# KiCad board Atari TT030.kicad_pcb (continued)
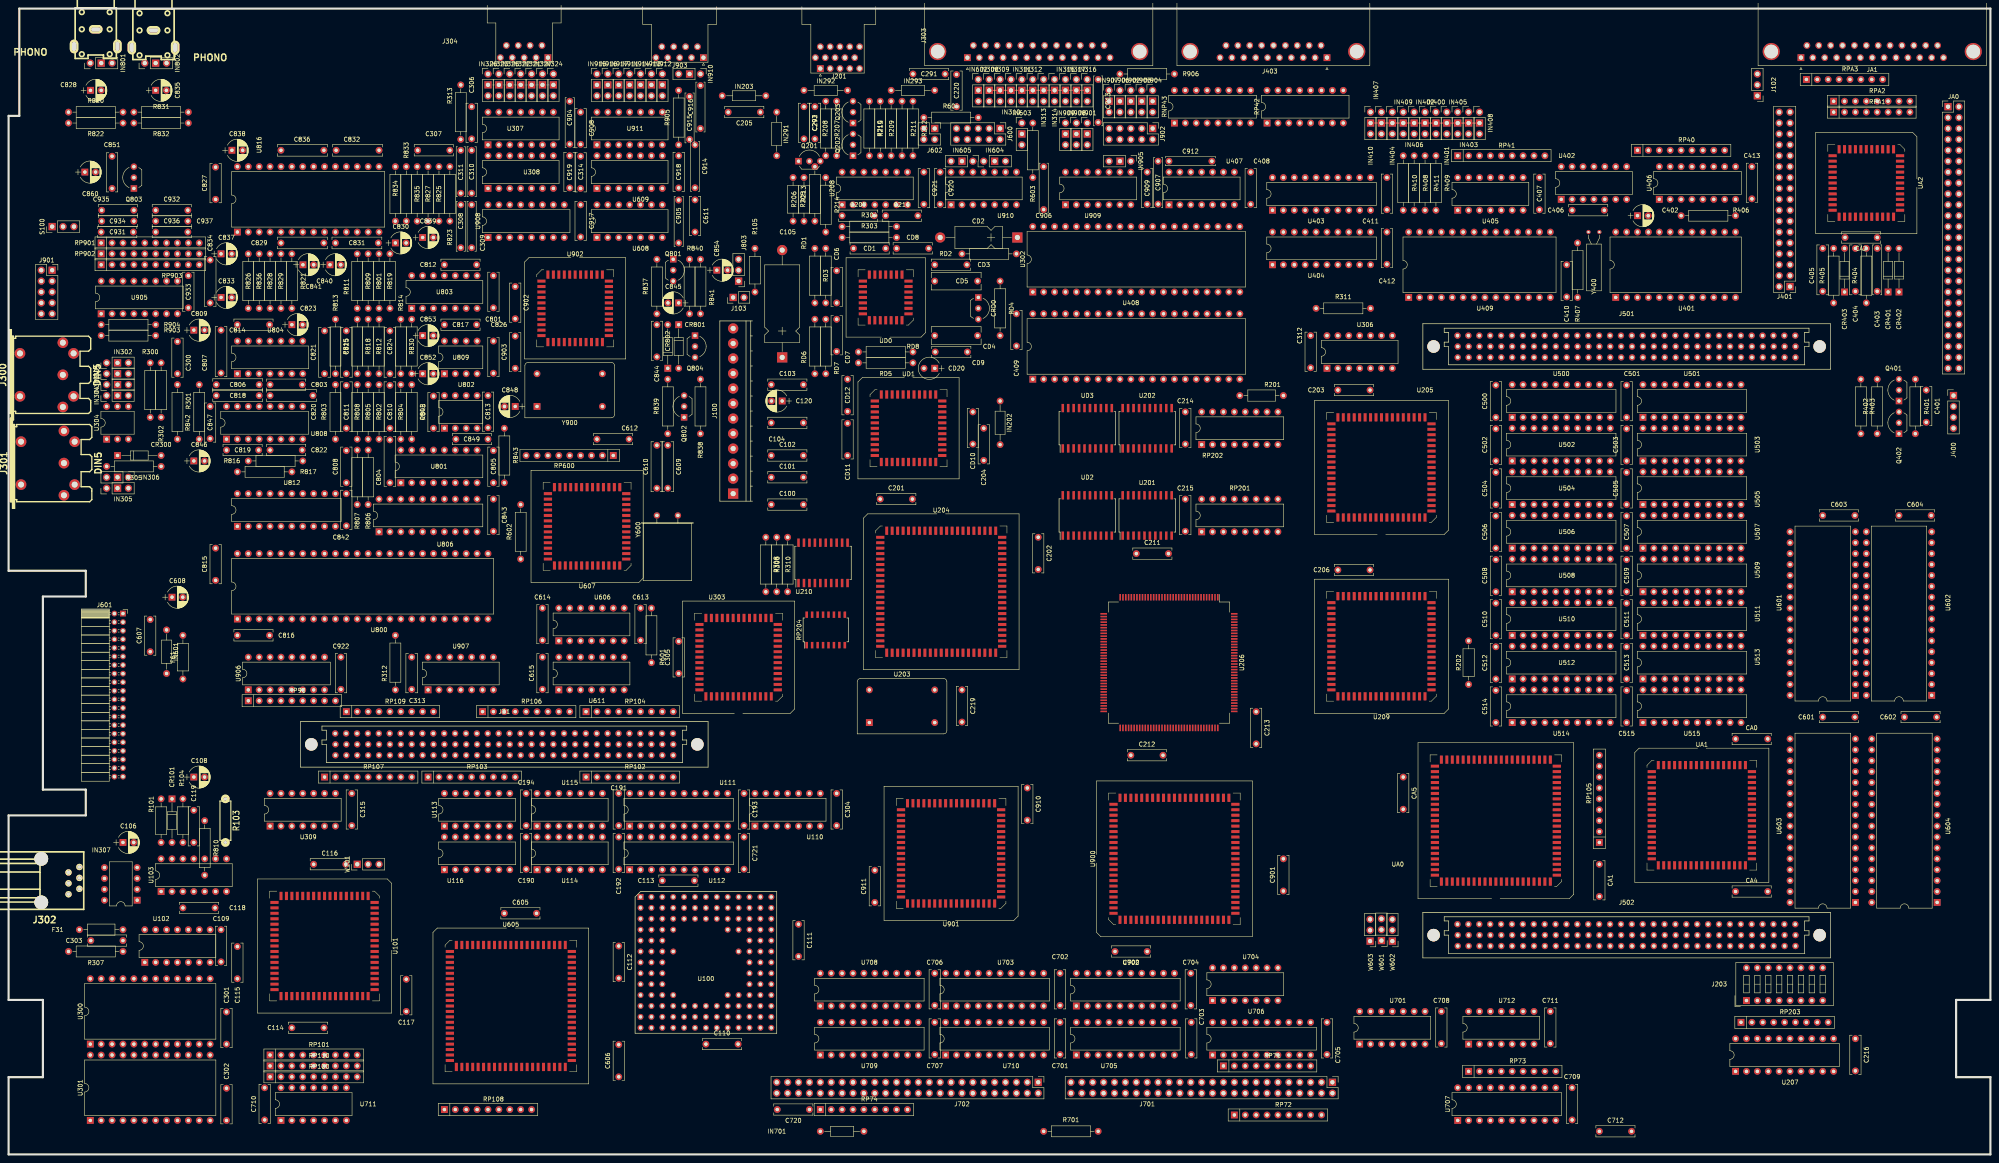
[diagram p0: board, top side]
## Footprints (pads in the part's own frame, mm; a bottom-side part is the same pattern mirrored in y, then rotated) (continued)
L_Axial_L5.3mm_D2.2mm_P10.16mm_Horizontal_Vishay_IM-1
  round 1.6 hole 0.8: 1(0,0)
  oval 1.6x1.6 hole 0.8: 2(10.16,0)
molex_6p6c
  round 3.2 hole 3.2 unplated: (-5.08,0) (5.08,0)
  round 1.501 hole 0.899: 1(-3.175,8.89) 2(-1.905,6.35) 3(-0.635,8.89) 4(0.635,6.35) 5(1.905,8.89) 6(3.175,6.35)
Oscillator_DIP-14
  rect 1.6x1.6 hole 0.8: 1(0,0)
  round 1.6 hole 0.8: 7(15.24,0) 8(15.24,7.62) 14(0,7.62)
PGA128
  rect 1.397x1.397 hole 0.787: A1(15.24,-15.24)
  round 1.397 hole 0.787: A2(12.7,-15.24) A3(10.16,-15.24) A4(7.62,-15.24) A5(5.08,-15.24) A6(2.54,-15.24) A7(0,-15.24) A8(-2.54,-15.24) A9(-5.08,-15.24) A10(-7.62,-15.24) A11(-10.16,-15.24) A12(-12.7,-15.24) A13(-15.24,-15.24) B1(15.24,-12.7) B2(12.7,-12.7) B3(10.16,-12.7) B4(7.62,-12.7) B5(5.08,-12.7) B6(2.54,-12.7) B7(0,-12.7) B8(-2.54,-12.7) B9(-5.08,-12.7) B10(-7.62,-12.7) B11(-10.16,-12.7) B12(-12.7,-12.7) B13(-15.24,-12.7) C1(15.24,-10.16) C2(12.7,-10.16) C3(10.16,-10.16) C4(7.62,-10.16) C5(5.08,-10.16) C6(2.54,-10.16) C7(0,-10.16) C8(-2.54,-10.16) C9(-5.08,-10.16) C10(-7.62,-10.16) C11(-10.16,-10.16) C12(-12.7,-10.16) C13(-15.24,-10.16) D1(15.24,-7.62) D2(12.7,-7.62) D3(10.16,-7.62) D4(7.62,-7.62) D9(-5.08,-7.62) D10(-7.62,-7.62) D11(-10.16,-7.62) D12(-12.7,-7.62) D13(-15.24,-7.62) E1(15.24,-5.08) E2(12.7,-5.08) E3(10.16,-5.08) E11(-10.16,-5.08) E12(-12.7,-5.08) E13(-15.24,-5.08) F1(15.24,-2.54) F2(12.7,-2.54) F3(10.16,-2.54) F4(7.62,-2.54) F10(-7.62,-2.54) F11(-10.16,-2.54) F12(-12.7,-2.54) F13(-15.24,-2.54) G1(15.24,0) G2(12.7,0) G3(10.16,0) G11(-10.16,0) G12(-12.7,0) G13(-15.24,0) H1(15.24,2.54) H2(12.7,2.54) H3(10.16,2.54) H11(-10.16,2.54) H12(-12.7,2.54) H13(-15.24,2.54) J1(15.24,5.08) J2(12.7,5.08) J3(10.16,5.08) J11(-10.16,5.08) J12(-12.7,5.08) J13(-15.24,5.08) K1(15.24,7.62) K2(12.7,7.62) K3(10.16,7.62) K4(7.62,7.62) K9(-5.08,7.62) K10(-7.62,7.62) K11(-10.16,7.62) K12(-12.7,7.62) K13(-15.24,7.62) L1(15.24,10.16) L2(12.7,10.16) L3(10.16,10.16) L4(7.62,10.16) L5(5.08,10.16) L6(2.54,10.16) L7(0,10.16) L8(-2.54,10.16) L9(-5.08,10.16) L10(-7.62,10.16) L11(-10.16,10.16) L12(-12.7,10.16) L13(-15.24,10.16) M1(15.24,12.7) M2(12.7,12.7) M3(10.16,12.7) M4(7.62,12.7) M5(5.08,12.7) M6(2.54,12.7) M7(0,12.7) M8(-2.54,12.7) M9(-5.08,12.7) M10(-7.62,12.7) M11(-10.16,12.7) M12(-12.7,12.7) M13(-15.24,12.7) N1(15.24,15.24) N2(12.7,15.24) N3(10.16,15.24) N4(7.62,15.24) N5(5.08,15.24) N6(2.54,15.24) N7(0,15.24) N8(-2.54,15.24) N9(-5.08,15.24) N10(-7.62,15.24) N11(-10.16,15.24) N12(-12.7,15.24) N13(-15.24,15.24)
Pin_Header_Straight_1x03_Pitch2.54mm
  rect 1.7x1.7 hole 1: 1(0,0)
  oval 1.7x1.7 hole 1: 2(0,-2.54) 3(0,-5.08)
Pin_Header_Straight_2x02_Pitch2.54mm
  rect 1.7x1.7 hole 1: 1(0,0)
  oval 1.7x1.7 hole 1: 2(2.54,0) 3(0,-2.54) 4(2.54,-2.54)
Pin_Header_Straight_2x05_Pitch2.54mm
  rect 1.7x1.7 hole 1: 1(0,0)
  oval 1.7x1.7 hole 1: 2(2.54,0) 3(0,-2.54) 4(2.54,-2.54) 5(0,-5.08) 6(2.54,-5.08) 7(0,-7.62) 8(2.54,-7.62) 9(0,-10.16) 10(2.54,-10.16)
Pin_Header_Straight_2x17_Pitch2.54mm
  rect 1.7x1.7 hole 1: 1(0,0)
  oval 1.7x1.7 hole 1: 2(2.54,0) 3(0,-2.54) 4(2.54,-2.54) 5(0,-5.08) 6(2.54,-5.08) 7(0,-7.62) 8(2.54,-7.62) 9(0,-10.16) 10(2.54,-10.16) 11(0,-12.7) 12(2.54,-12.7) 13(0,-15.24) 14(2.54,-15.24) 15(0,-17.78) 16(2.54,-17.78) 17(0,-20.32) 18(2.54,-20.32) 19(0,-22.86) 20(2.54,-22.86) 21(0,-25.4) 22(2.54,-25.4) 23(0,-27.94) 24(2.54,-27.94) 25(0,-30.48) 26(2.54,-30.48) 27(0,-33.02) 28(2.54,-33.02) 29(0,-35.56) 30(2.54,-35.56) 31(0,-38.1) 32(2.54,-38.1) 33(0,-40.64) 34(2.54,-40.64)
Pin_Header_Straight_2x25_Pitch2.54mm
  rect 1.7x1.7 hole 1: 1(0,0)
  oval 1.7x1.7 hole 1: 2(2.54,0) 3(0,-2.54) 4(2.54,-2.54) 5(0,-5.08) 6(2.54,-5.08) 7(0,-7.62) 8(2.54,-7.62) 9(0,-10.16) 10(2.54,-10.16) 11(0,-12.7) 12(2.54,-12.7) 13(0,-15.24) 14(2.54,-15.24) 15(0,-17.78) 16(2.54,-17.78) 17(0,-20.32) 18(2.54,-20.32) 19(0,-22.86) 20(2.54,-22.86) 21(0,-25.4) 22(2.54,-25.4) 23(0,-27.94) 24(2.54,-27.94) 25(0,-30.48) 26(2.54,-30.48) 27(0,-33.02) 28(2.54,-33.02) 29(0,-35.56) 30(2.54,-35.56) 31(0,-38.1) 32(2.54,-38.1) 33(0,-40.64) 34(2.54,-40.64) 35(0,-43.18) 36(2.54,-43.18) 37(0,-45.72) 38(2.54,-45.72) 39(0,-48.26) 40(2.54,-48.26) 41(0,-50.8) 42(2.54,-50.8) 43(0,-53.34) 44(2.54,-53.34) 45(0,-55.88) 46(2.54,-55.88) 47(0,-58.42) 48(2.54,-58.42) 49(0,-60.96) 50(2.54,-60.96)
PLCC-28_SMD-Socket
  rect 0.7x1.925 smd: 1(0,5.322) 2(-1.27,5.322) 3(-2.54,5.322) 4(-3.81,5.322) 12(-3.81,-5.322) 13(-2.54,-5.322) 14(-1.27,-5.322) 15(0,-5.322) 16(1.27,-5.322) 17(2.54,-5.322) 18(3.81,-5.322) 26(3.81,5.322) 27(2.54,5.322) 28(1.27,5.322)
  rect 1.925x0.7 smd: 5(-5.322,3.81) 6(-5.322,2.54) 7(-5.322,1.27) 8(-5.322,0) 9(-5.322,-1.27) 10(-5.322,-2.54) 11(-5.322,-3.81) 19(5.322,-3.81) 20(5.322,-2.54) 21(5.322,-1.27) 22(5.322,0) 23(5.322,1.27) 24(5.322,2.54) 25(5.322,3.81)
PLCC-44_SMD-Socket
  rect 0.7x1.925 smd: 1(0,7.862) 2(-1.27,7.862) 3(-2.54,7.862) 4(-3.81,7.862) 5(-5.08,7.862) 6(-6.35,7.862) 18(-6.35,-7.862) 19(-5.08,-7.862) 20(-3.81,-7.862) 21(-2.54,-7.862) 22(-1.27,-7.862) 23(0,-7.862) 24(1.27,-7.862) 25(2.54,-7.862) 26(3.81,-7.862) 27(5.08,-7.862) 28(6.35,-7.862) 40(6.35,7.862) 41(5.08,7.862) 42(3.81,7.862) 43(2.54,7.862) 44(1.27,7.862)
  rect 1.925x0.7 smd: 7(-7.862,6.35) 8(-7.862,5.08) 9(-7.862,3.81) 10(-7.862,2.54) 11(-7.862,1.27) 12(-7.862,0) 13(-7.862,-1.27) 14(-7.862,-2.54) 15(-7.862,-3.81) 16(-7.862,-5.08) 17(-7.862,-6.35) 29(7.862,-6.35) 30(7.862,-5.08) 31(7.862,-3.81) 32(7.862,-2.54) 33(7.862,-1.27) 34(7.862,0) 35(7.862,1.27) 36(7.862,2.54) 37(7.862,3.81) 38(7.862,5.08) 39(7.862,6.35)
PLCC-52_SMD-Socket
  rect 0.7x1.925 smd: 1(0,9.133) 2(-1.27,9.133) 3(-2.54,9.133) 4(-3.81,9.133) 5(-5.08,9.133) 6(-6.35,9.133) 7(-7.62,9.133) 21(-7.62,-9.133) 22(-6.35,-9.133) 23(-5.08,-9.133) 24(-3.81,-9.133) 25(-2.54,-9.133) 26(-1.27,-9.133) 27(0,-9.133) 28(1.27,-9.133) 29(2.54,-9.133) 30(3.81,-9.133) 31(5.08,-9.133) 32(6.35,-9.133) 33(7.62,-9.133) 47(7.62,9.133) 48(6.35,9.133) 49(5.08,9.133) 50(3.81,9.133) 51(2.54,9.133) 52(1.27,9.133)
  rect 1.925x0.7 smd: 8(-9.133,7.62) 9(-9.133,6.35) 10(-9.133,5.08) 11(-9.133,3.81) 12(-9.133,2.54) 13(-9.133,1.27) 14(-9.133,0) 15(-9.133,-1.27) 16(-9.133,-2.54) 17(-9.133,-3.81) 18(-9.133,-5.08) 19(-9.133,-6.35) 20(-9.133,-7.62) 34(9.133,-7.62) 35(9.133,-6.35) 36(9.133,-5.08) 37(9.133,-3.81) 38(9.133,-2.54) 39(9.133,-1.27) 40(9.133,0) 41(9.133,1.27) 42(9.133,2.54) 43(9.133,3.81) 44(9.133,5.08) 45(9.133,6.35) 46(9.133,7.62)
PLCC-68_SMD-Socket
  rect 0.7x1.925 smd: 1(0,11.672) 2(-1.27,11.672) 3(-2.54,11.672) 4(-3.81,11.672) 5(-5.08,11.672) 6(-6.35,11.672) 7(-7.62,11.672) 8(-8.89,11.672) 9(-10.16,11.672) 27(-10.16,-11.672) 28(-8.89,-11.672) 29(-7.62,-11.672) 30(-6.35,-11.672) 31(-5.08,-11.672) 32(-3.81,-11.672) 33(-2.54,-11.672) 34(-1.27,-11.672) 35(0,-11.672) 36(1.27,-11.672) 37(2.54,-11.672) 38(3.81,-11.672) 39(5.08,-11.672) 40(6.35,-11.672) 41(7.62,-11.672) 42(8.89,-11.672) 43(10.16,-11.672) 61(10.16,11.672) 62(8.89,11.672) 63(7.62,11.672) 64(6.35,11.672) 65(5.08,11.672) 66(3.81,11.672) 67(2.54,11.672) 68(1.27,11.672)
  rect 1.925x0.7 smd: 10(-11.672,10.16) 11(-11.672,8.89) 12(-11.672,7.62) 13(-11.672,6.35) 14(-11.672,5.08) 15(-11.672,3.81) 16(-11.672,2.54) 17(-11.672,1.27) 18(-11.672,0) 19(-11.672,-1.27) 20(-11.672,-2.54) 21(-11.672,-3.81) 22(-11.672,-5.08) 23(-11.672,-6.35) 24(-11.672,-7.62) 25(-11.672,-8.89) 26(-11.672,-10.16) 44(11.672,-10.16) 45(11.672,-8.89) 46(11.672,-7.62) 47(11.672,-6.35) 48(11.672,-5.08) 49(11.672,-3.81) 50(11.672,-2.54) 51(11.672,-1.27) 52(11.672,0) 53(11.672,1.27) 54(11.672,2.54) 55(11.672,3.81) 56(11.672,5.08) 57(11.672,6.35) 58(11.672,7.62) 59(11.672,8.89) 60(11.672,10.16)
PLCC-84_SMD-Socket
  rect 0.7x1.925 smd: 1(0,14.213) 2(-1.27,14.213) 3(-2.54,14.213) 4(-3.81,14.213) 5(-5.08,14.213) 6(-6.35,14.213) 7(-7.62,14.213) 8(-8.89,14.213) 9(-10.16,14.213) 10(-11.43,14.213) 11(-12.7,14.213) 33(-12.7,-14.213) 34(-11.43,-14.213) 35(-10.16,-14.213) 36(-8.89,-14.213) 37(-7.62,-14.213) 38(-6.35,-14.213) 39(-5.08,-14.213) 40(-3.81,-14.213) 41(-2.54,-14.213) 42(-1.27,-14.213) 43(0,-14.213) 44(1.27,-14.213) 45(2.54,-14.213) 46(3.81,-14.213) 47(5.08,-14.213) 48(6.35,-14.213) 49(7.62,-14.213) 50(8.89,-14.213) 51(10.16,-14.213) 52(11.43,-14.213) 53(12.7,-14.213) 75(12.7,14.213) 76(11.43,14.213) 77(10.16,14.213) 78(8.89,14.213) 79(7.62,14.213) 80(6.35,14.213) 81(5.08,14.213) 82(3.81,14.213) 83(2.54,14.213) 84(1.27,14.213)
  rect 1.925x0.7 smd: 12(-14.213,12.7) 13(-14.213,11.43) 14(-14.213,10.16) 15(-14.213,8.89) 16(-14.213,7.62) 17(-14.213,6.35) 18(-14.213,5.08) 19(-14.213,3.81) 20(-14.213,2.54) 21(-14.213,1.27) 22(-14.213,0) 23(-14.213,-1.27) 24(-14.213,-2.54) 25(-14.213,-3.81) 26(-14.213,-5.08) 27(-14.213,-6.35) 28(-14.213,-7.62) 29(-14.213,-8.89) 30(-14.213,-10.16) 31(-14.213,-11.43) 32(-14.213,-12.7) 54(14.213,-12.7) 55(14.213,-11.43) 56(14.213,-10.16) 57(14.213,-8.89) 58(14.213,-7.62) 59(14.213,-6.35) 60(14.213,-5.08) 61(14.213,-3.81) 62(14.213,-2.54) 63(14.213,-1.27) 64(14.213,0) 65(14.213,1.27) 66(14.213,2.54) 67(14.213,3.81) 68(14.213,5.08) 69(14.213,6.35) 70(14.213,7.62) 71(14.213,8.89) 72(14.213,10.16) 73(14.213,11.43) 74(14.213,12.7)
R_Array_SIP8
  rect 1.6x1.6 hole 0.8: 1(0,0)
  oval 1.6x1.6 hole 0.8: 2(2.54,0) 3(5.08,0) 4(7.62,0) 5(10.16,0) 6(12.7,0) 7(15.24,0) 8(17.78,0)
R_Array_SIP9
  rect 1.6x1.6 hole 0.8: 1(0,0)
  oval 1.6x1.6 hole 0.8: 2(2.54,0) 3(5.08,0) 4(7.62,0) 5(10.16,0) 6(12.7,0) 7(15.24,0) 8(17.78,0) 9(20.32,0)
R_Array_SIP10
  rect 1.6x1.6 hole 0.8: 1(0,0)
  oval 1.6x1.6 hole 0.8: 2(2.54,0) 3(5.08,0) 4(7.62,0) 5(10.16,0) 6(12.7,0) 7(15.24,0) 8(17.78,0) 9(20.32,0) 10(22.86,0)
R_Axial_DIN0207_L6.3mm_D2.5mm_P10.16mm_Horizontal
  round 1.6 hole 0.8: 1(0,0)
  oval 1.6x1.6 hole 0.8: 2(10.16,0)
R_Axial_DIN0309_L9.0mm_D3.2mm_P12.70mm_Horizontal
  round 1.6 hole 0.8: 1(0,0)
  oval 1.6x1.6 hole 0.8: 2(12.7,0)
RC05
  round 1.999 hole 0.8: 1(-5.08,0) 2(5.08,0)
rca_red
  oval 3.198x1.999 hole 2.197x0.996: 1(0,0)
  oval 1.999x3.198 hole 0.996x2.197: 2(-5.055,3.998) 2(5.055,3.998)
rca_white
  oval 3.198x1.999 hole 2.197x0.996: 1(0,0)
  oval 1.999x3.198 hole 0.996x2.197: 2(-5.055,3.998) 2(5.055,3.998)
Socket_Strip_Angled_2x20_Pitch2.00mm
  rect 1.35x1.35 hole 0.8: 1(0,0)
  oval 1.35x1.35 hole 0.8: 2(-2,0) 3(0,-2) 4(-2,-2) 5(0,-4) 6(-2,-4) 7(0,-6) 8(-2,-6) 9(0,-8) 10(-2,-8) 11(0,-10) 12(-2,-10) 13(0,-12) 14(-2,-12) 15(0,-14) 16(-2,-14) 17(0,-16) 18(-2,-16) 19(0,-18) 20(-2,-18) 21(0,-20) 22(-2,-20) 23(0,-22) 24(-2,-22) 25(0,-24) 26(-2,-24) 27(0,-26) 28(-2,-26) 29(0,-28) 30(-2,-28) 31(0,-30) 32(-2,-30) 33(0,-32) 34(-2,-32) 35(0,-34) 36(-2,-34) 37(0,-36) 38(-2,-36) 39(0,-38) 40(-2,-38)
Socket_Strip_Straight_1x02_Pitch2.54mm
  rect 1.7x1.7 hole 1: 1(0,0)
  oval 1.7x1.7 hole 1: 2(0,-2.54)
Socket_Strip_Straight_1x03_Pitch2.54mm
  rect 1.7x1.7 hole 1: 1(0,0)
  oval 1.7x1.7 hole 1: 2(0,-2.54) 3(0,-5.08)
Socket_Strip_Straight_1x04_Pitch2.54mm
  rect 1.7x1.7 hole 1: 1(0,0)
  oval 1.7x1.7 hole 1: 2(0,-2.54) 3(0,-5.08) 4(0,-7.62)
Socket_Strip_Straight_2x05_Pitch2.54mm
  rect 1.7x1.7 hole 1: 1(0,0)
  oval 1.7x1.7 hole 1: 2(-2.54,0) 3(0,-2.54) 4(-2.54,-2.54) 5(0,-5.08) 6(-2.54,-5.08) 7(0,-7.62) 8(-2.54,-7.62) 9(0,-10.16) 10(-2.54,-10.16)
SOIC-16W_5.3x10.2mm_Pitch1.27mm
  rect 1.5x0.6 smd: 1(-3.55,4.445) 2(-3.55,3.175) 3(-3.55,1.905) 4(-3.55,0.635) 5(-3.55,-0.635) 6(-3.55,-1.905) 7(-3.55,-3.175) 8(-3.55,-4.445) 9(3.55,-4.445) 10(3.55,-3.175) 11(3.55,-1.905) 12(3.55,-0.635) 13(3.55,0.635) 14(3.55,1.905) 15(3.55,3.175) 16(3.55,4.445)
SOIC-20W_7.5x12.8mm_Pitch1.27mm
  rect 1.95x0.6 smd: 1(-4.7,5.715) 2(-4.7,4.445) 3(-4.7,3.175) 4(-4.7,1.905) 5(-4.7,0.635) 6(-4.7,-0.635) 7(-4.7,-1.905) 8(-4.7,-3.175) 9(-4.7,-4.445) 10(-4.7,-5.715) 11(4.7,-5.715) 12(4.7,-4.445) 13(4.7,-3.175) 14(4.7,-1.905) 15(4.7,-0.635) 16(4.7,0.635) 17(4.7,1.905) 18(4.7,3.175) 19(4.7,4.445) 20(4.7,5.715)
SW_DIP_x8_W7.62mm_Slide
  rect 1.6x1.6 hole 0.8: 1(0,0)
  oval 1.6x1.6 hole 0.8: 2(0,-2.54) 3(0,-5.08) 4(0,-7.62) 5(0,-10.16) 6(0,-12.7) 7(0,-15.24) 8(0,-17.78) 9(7.62,-17.78) 10(7.62,-15.24) 11(7.62,-12.7) 12(7.62,-10.16) 13(7.62,-7.62) 14(7.62,-5.08) 15(7.62,-2.54) 16(7.62,0)
TerminalBlock_Phoenix_PT-3.5mm_12pol
  rect 2.4x2.4 hole 1.2: 1(0,0)
  round 2.4 hole 1.2: 2(3.5,0) 3(7,0) 4(10.5,0) 5(14,0) 6(17.5,0) 7(21,0) 8(24.5,0) 9(28,0) 10(31.5,0) 11(35,0) 12(38.5,0)
TO-92_Inline_Wide
  rect 1.52x1.52 hole 0.8: 1(0,0)
  round 1.52 hole 0.8: 2(2.54,0) 3(5.08,0)
U206
  rect 1.53x0.38 smd: 1(-15.22,11.375) 2(-15.22,10.725) 3(-15.22,10.075) 4(-15.22,9.425) 5(-15.22,8.775) 6(-15.22,8.125) 7(-15.22,7.475) 8(-15.22,6.825) 9(-15.22,6.175) 10(-15.22,5.525) 11(-15.22,4.875) 12(-15.22,4.225) 13(-15.22,3.575) 14(-15.22,2.925) 15(-15.22,2.275) 16(-15.22,1.625) 17(-15.22,0.975) 18(-15.22,0.325) 19(-15.22,-0.325) 20(-15.22,-0.975) 21(-15.22,-1.625) 22(-15.22,-2.275) 23(-15.22,-2.925) 24(-15.22,-3.575) 25(-15.22,-4.225) 26(-15.22,-4.875) 27(-15.22,-5.525) 28(-15.22,-6.175) 29(-15.22,-6.825) 30(-15.22,-7.475) 31(-15.22,-8.125) 32(-15.22,-8.775) 33(-15.22,-9.425) 34(-15.22,-10.075) 35(-15.22,-10.725) 36(-15.22,-11.375) 73(15.22,-11.375) 74(15.22,-10.725) 75(15.22,-10.075) 76(15.22,-9.425) 77(15.22,-8.775) 78(15.22,-8.125) 79(15.22,-7.475) 80(15.22,-6.825) 81(15.22,-6.175) 82(15.22,-5.525) 83(15.22,-4.875) 84(15.22,-4.225) 85(15.22,-3.575) 86(15.22,-2.925) 87(15.22,-2.275) 88(15.22,-1.625) 89(15.22,-0.975) 90(15.22,-0.325) 91(15.22,0.325) 92(15.22,0.975) 93(15.22,1.625) 94(15.22,2.275) 95(15.22,2.925) 96(15.22,3.575) 97(15.22,4.225) 98(15.22,4.875) 99(15.22,5.525) 100(15.22,6.175) 101(15.22,6.825) 102(15.22,7.475) 103(15.22,8.125) 104(15.22,8.775) 105(15.22,9.425) 106(15.22,10.075) 107(15.22,10.725) 108(15.22,11.375)
  rect 0.38x1.53 smd: 37(-11.375,-15.22) 38(-10.725,-15.22) 39(-10.075,-15.22) 40(-9.425,-15.22) 41(-8.775,-15.22) 42(-8.125,-15.22) 43(-7.475,-15.22) 44(-6.825,-15.22) 45(-6.175,-15.22) 46(-5.525,-15.22) 47(-4.875,-15.22) 48(-4.225,-15.22) 49(-3.575,-15.22) 50(-2.925,-15.22) 51(-2.275,-15.22) 52(-1.625,-15.22) 53(-0.975,-15.22) 54(-0.325,-15.22) 55(0.325,-15.22) 56(0.975,-15.22) 57(1.625,-15.22) 58(2.275,-15.22) 59(2.925,-15.22) 60(3.575,-15.22) 61(4.225,-15.22) 62(4.875,-15.22) 63(5.525,-15.22) 64(6.175,-15.22) 65(6.825,-15.22) 66(7.475,-15.22) 67(8.125,-15.22) 68(8.775,-15.22) 69(9.425,-15.22) 70(10.075,-15.22) 71(10.725,-15.22) 72(11.375,-15.22) 109(11.375,15.22) 110(10.725,15.22) 111(10.075,15.22) 112(9.425,15.22) 113(8.775,15.22) 114(8.125,15.22) 115(7.475,15.22) 116(6.825,15.22) 117(6.175,15.22) 118(5.525,15.22) 119(4.875,15.22) 120(4.225,15.22) 121(3.575,15.22) 122(2.925,15.22) 123(2.275,15.22) 124(1.625,15.22) 125(0.975,15.22) 126(0.325,15.22) 127(-0.325,15.22) 128(-0.975,15.22) 129(-1.625,15.22) 130(-2.275,15.22) 131(-2.925,15.22) 132(-3.575,15.22) 133(-4.225,15.22) 134(-4.875,15.22) 135(-5.525,15.22) 136(-6.175,15.22) 137(-6.825,15.22) 138(-7.475,15.22) 139(-8.125,15.22) 140(-8.775,15.22) 141(-9.425,15.22) 142(-10.075,15.22) 143(-10.725,15.22) 144(-11.375,15.22)

## Nets
8.2V: C801.2 C827.2 C851.1 C860.1 Q803.1 R826.1 U803.4 U816.28
+12V: C101.1 C306.1 C844.1 C918.1 C920.1 J100.3 J102.1 J702.45 Q801.3 Q803.3 R313.1 R603.1 R604.1 R837.1 R905.1 R906.1 U307.14 U609.14 U910.14
-5V: C103.2 C120.2 CD5.2 CD8.1 CD9.1 CRD0.2 J100.9 R843.2 UD0.5 UD0.12 UD0.22
-12V: C102.1 C307.1 C919.1 C921.1 J100.4 J702.43 U307.1 U609.1 U910.1
/Sheet4/VBAT: C402.1 C403.1 CR401.1 Q401.3 R404.1 U401.1 U401.20 U401.24 U402.14
GND: C100.2 C101.2 C102.2 C103.1 C104.2 C105.2 C106.2 C108.2 C109.2 C110.2 C111.2 C112.2 C113.2 C114.2 C115.2 C116.2 C117.2 C118.2 C119.2 C120.1 C190.2 C191.2 C192.2 C193.2 C194.2 C201.2 C202.2 C203.2 C204.2 C205.2 C206.2 C209.2 C210.2 C211.2 C212.2 C213.2 C214.2 C215.2 C216.2 C219.2 C220.2 C291.2 C292.2 C293.2 C300.2 C301.2 C302.2 C303.2 C304.2 C305.2 C307.2 C308.2 C309.2 C310.2 C311.2 C312.2 C313.2 C314.2 C315.2 C401.2 C402.2 C403.2 C404.2 C405.2 C407.2 C408.2 C409.2 C410.2 C411.2 C412.2 C413.2 C500.2 C501.2 C502.2 C503.2 C504.2 C505.2 C506.2 C507.2 C508.2 C509.2 C510.2 C511.2 C512.2 C513.2 C514.2 C515.2 C601.2 C602.2 C603.2 C604.2 C605.2 C606.2 C607.2 C608.2 C609.2 C610.2 C611.2 C612.2 C613.2 C614.2 C615.2 C701.2 C702.2 C703.2 C704.2 C705.2 C706.2 C707.2 C708.2 C709.2 C710.2 C711.2 C712.2 C720.2 C721.2 C801.1 C802.1 C803.1 C805.1 C808.1 C810.1 C811.1 C812.1 C813.1 C814.1 C815.2 C816.2 C817.1 C819.1 C822.1 C823.1 C824.1 C825.1 C826.1 C827.1 C833.2 C834.2 C836.2 C838.2 C842.2 C843.2 C844.2 C846.2 C847.2 C848.2 C849.2 C851.2 C860.2 C900.2 C901.2 C902.2 C903.2 C904.2 C905.2 C906.2 C907.2 C908.2 C909.2 C910.2 C911.2 C912.2 C913.2 C914.2 C915.2 C916.2 C917.2 C918.2 C919.2 C920.2 C921.2 C922.2 C931.2 C932.2 C933.2 C934.2 C935.2 C936.2 C937.2 CA0.2 CA1.2 CA2.2 CA4.2 CA5.2 CD6.2 CD7.2 CD8.2 CD9.2 CD10.1 CD11.2 CD12.2 CD20.1 IN307.2 J100.5 J100.6 J100.7 J100.8 J102.2 J102.3 J103.2 J201.5 J201.6 J201.7 J201.8 J201.10 J203.1 J203.2 J203.3 J203.4 J203.5 J203.6 J203.7 J203.8 J300.2 J303.18 J303.19 J303.20 J303.21 J303.22 J303.23 J303.24 J303.25 J304.5 J400.3 J400.4 J401.1 J401.3 J401.5 J401.7 J401.9 J401.11 J401.13 J401.15 J401.17 J401.19 J401.21 J401.23 J401.25 J401.27 J401.29 J401.31 J401.33 J403.11 J403.13 J403.15 J403.17 J501.1 J501.2 J501.3 J501.30 J501.31 J501.32 J501.33 J501.34 J501.35 J501.62 J501.63 J501.64 J501.65 J501.66 J501.67 J501.92 J501.93 J501.94 J501.95 J501.96 J502.1 J502.2 J502.3 J502.30 J502.31 J502.32 J502.33 J502.34 J502.35 J502.62 J502.63 J502.64 J502.65 J502.66 J502.67 J502.93 J502.94 J502.96 J600.9 J601.38 J601.39 J601.40 J602.2 J602.4 J701.11 J701.17 J701.23 J701.25 J701.27 J701.29 J701.31 J701.43 J701.49 J701.50 J702.1 J702.7 J702.11 J702.13 J702.14 J702.17 J702.20 J702.49 J702.50 J801.2 J802.2 J803.2 J803.3 J901.4 J902.9 J903.5 JA0.1 JA0.3 JA0.5 JA0.7 JA0.9 JA0.11 JA0.13 JA0.15 JA0.17 JA0.19 JA0.20 JA0.21 JA0.22 JA0.23 JA0.24 JA0.27 JA0.28 JA0.29 JA0.30 JA0.31 JA0.33 JA0.34 JA0.35 JA0.37 JA0.39 JA0.41 JA0.43 JA0.45 JA0.47 JA0.49 JA1.7 JA1.9 JA1.14 JA1.16 JA1.18 JA1.24 JB1.33 JB1.34 JB1.35 JB1.36 JB1.53 JB1.55 JB1.61 JB1.62 JB1.63 JB1.64 Q402.1 Q802.1 Q803.2 R206.2 R208.2 R210.2 R213.2 R214.2 R215.2 R403.2 R406.2 R807.2 R817.2 R822.2 R828.2 R830.1 R832.2 R836.2 R845.2 R904.2 RD3.2 RPA1.1 RPA2.1 RPA3.1 S100.1 U100.C5 U100.C7 U100.C9 U100.E3 U100.E11 U100.F3 U100.G3 U100.G11 U100.J3 U100.J11 U100.L5 U100.L7 U100.L8 U100.L9 U101.4 U101.5 U101.6 U101.7 U101.8 U101.9 U101.12 U101.14 U101.19 U101.30 U101.41 U101.51 U101.63 U102.7 U103.7 U110.7 U111.10 U111.11 U112.10 U113.7 U114.7 U115.7 U116.7 U201.1 U201.10 U201.19 U202.1 U202.10 U202.19 U203.7 U204.11 U204.54 U204.73 U205.26 U205.60 U206.20 U206.29 U206.30 U206.41 U206.54 U206.63 U206.64 U206.74 U206.75 U206.78 U206.91 U206.92 U206.104 U206.116 U206.128 U207.10 U208.7 U209.26 U209.60 U210.1 U210.10 U210.19 U300.1 U300.9 U300.23 U300.24 U301.1 U301.23 U301.24 U302.1 U302.24 U303.40 U304.5 U306.7 U308.7 U309.7 U401.12 U402.5 U402.7 U402.9 U402.11 U402.13 U403.1 U403.10 U403.19 U404.10 U405.7 U406.8 U406.12 U407.7 U408.20 U408.28 U409.14 U409.26 U500.16 U500.20 U501.16 U501.20 U502.16 U502.20 U503.16 U503.20 U504.16 U504.20 U505.16 U505.20 U506.16 U506.20 U507.16 U507.20 U508.16 U508.20 U509.16 U509.20 U510.16 U510.20 U511.16 U511.20 U512.16 U512.20 U513.16 U513.20 U514.16 U514.20 U515.16 U515.20 U601.16 U602.16 U603.16 U604.16 U605.12 U605.33 U605.54 U606.7 U607.22 U607.38 U607.40 U608.7 U608.9 U609.7 U611.7 U701.7 U702.10 U703.10 U704.7 U705.1 U705.10 U705.19 U706.10 U707.10 U708.1 U708.10 U708.19 U709.1 U709.10 U709.19 U710.1 U710.10 U710.19 U711.7 U712.7 U800.6 U800.18 U800.43 U801.1 U802.3 U802.6 U803.5 U803.10 U804.3 U804.5 U804.10 U804.12 U806.1 U806.10 U808.1 U809.3 U809.6 U812.1 U812.10 U816.15 U816.21 U900.11 U900.25 U900.37 U900.51 U900.56 U900.74 U901.7 U901.10 U901.25 U901.28 U901.42 U901.45 U901.59 U901.62 U902.35 U902.36 U902.38 U905.4 U905.5 U906.7 U906.8 U906.10 U906.15 U908.8 U908.12 U909.7 U910.7 U911.7 UA0.11 UA0.25 UA0.37 UA0.51 UA0.74 UA1.7 UA1.10 UA1.25 UA1.28 UA1.42 UA1.45 UA1.59 UA1.62 UA2.12 UA2.13 UD0.3 UD0.4 UD0.8 UD0.9 UD0.15 UD0.16 UD0.19 UD0.20 UD1.13 UD1.15 UD1.35 UD1.36 UD1.37 UD1.42 UD1.43 UD2.1 UD2.10 UD2.19 UD3.1 UD3.10 UD3.19 W601.3 W603.1 Y900.7
VCC: C104.1 C105.1 C109.1 C110.1 C111.1 C112.1 C113.1 C114.1 C115.1 C116.1 C117.1 C190.1 C191.1 C192.1 C193.1 C194.1 C201.1 C202.1 C203.1 C206.1 C209.1 C210.1 C211.1 C212.1 C213.1 C214.1 C215.1 C216.1 C219.1 C220.1 C300.1 C301.1 C302.1 C304.1 C305.1 C312.1 C313.1 C314.1 C315.1 C401.1 C407.1 C408.1 C409.1 C410.1 C411.1 C412.1 C413.1 C500.1 C501.1 C502.1 C503.1 C504.1 C505.1 C506.1 C507.1 C508.1 C509.1 C510.1 C511.1 C512.1 C513.1 C514.1 C515.1 C601.1 C602.1 C603.1 C604.1 C605.1 C606.1 C612.1 C613.1 C614.1 C615.1 C701.1 C702.1 C703.1 C704.1 C705.1 C706.1 C707.1 C708.1 C709.1 C710.1 C711.1 C712.1 C721.1 C815.1 C816.1 C842.1 C843.1 C900.1 C901.1 C902.1 C903.1 C908.1 C909.1 C910.1 C911.1 C917.1 C922.1 CA0.1 CA1.1 CA2.1 CA4.1 CA5.1 CD6.1 CD7.1 CD10.2 CR403.1 F31.2 F61.2 IN202.1 IN203.1 IN701.1 J100.2 J100.10 J100.11 J100.12 J501.4 J501.5 J501.28 J501.29 J501.36 J501.37 J501.60 J501.61 J501.68 J501.69 J501.90 J501.91 J502.4 J502.5 J502.28 J502.29 J502.36 J502.37 J502.60 J502.61 J502.68 J502.69 J502.92 JB1.37 JB1.38 JB1.39 JB1.40 JB1.57 JB1.58 JB1.59 JB1.60 Q401.1 R101.1 R103.1 R104.1 R105.1 R201.1 R202.1 R211.1 R212.1 R300.2 R301.1 R302.2 R306.1 R307.1 R308.2 R310.1 R311.1 R312.1 R402.1 R405.1 R601.1 R602.1 R701.1 R810.1 R842.2 RP40.1 RP41.1 RP71.1 RP72.1 RP73.1 RP74.1 RP90.1 RP100.1 RP101.1 RP102.1 RP103.1 RP104.1 RP105.1 RP106.1 RP107.1 RP108.1 RP109.1 RP110.1 RP203.1 RP600.1 RPA1.8 RPA2.8 RPA3.8 U100.C6 U100.D4 U100.D10 U100.F2 U100.F11 U100.F13 U100.H2 U100.H3 U100.H11 U100.H12 U100.K4 U100.K10 U100.L6 U101.10 U101.11 U101.16 U101.17 U101.18 U101.26 U101.27 U101.43 U101.52 U101.53 U101.61 U102.14 U103.4 U103.10 U103.14 U110.14 U111.18 U111.20 U112.20 U113.14 U114.14 U115.4 U115.14 U116.14 U201.20 U202.20 U203.14 U204.33 U204.53 U204.74 U205.9 U205.43 U206.19 U206.28 U206.31 U206.40 U206.53 U206.62 U206.65 U206.77 U206.90 U206.93 U206.103 U206.115 U207.20 U208.14 U209.9 U209.43 U210.20 U300.12 U301.10 U301.12 U302.25 U302.28 U302.40 U303.12 U304.6 U306.14 U308.14 U309.14 U403.20 U404.20 U405.14 U406.16 U407.14 U408.40 U409.15 U500.10 U501.10 U502.10 U503.10 U504.10 U505.10 U506.10 U507.10 U508.10 U509.10 U510.10 U511.10 U512.10 U513.10 U514.10 U515.10 U601.1 U601.31 U601.32 U602.1 U602.31 U602.32 U603.1 U603.31 U603.32 U604.1 U604.31 U604.32 U605.11 U605.53 U605.74 U606.14 U607.12 U608.14 U611.14 U701.14 U702.20 U703.20 U704.14 U705.20 U706.20 U707.20 U708.20 U709.20 U710.20 U711.14 U712.14 U800.7 U800.19 U800.42 U806.20 U812.20 U900.12 U900.24 U900.38 U900.50 U900.75 U901.8 U901.9 U901.26 U901.27 U901.43 U901.44 U901.60 U901.61 U901.68 U902.8 U902.10 U905.1 U906.16 U908.16 U909.14 U911.14 UA0.12 UA0.24 UA0.33 UA0.38 UA0.50 UA0.56 UA0.75 UA1.8 UA1.9 UA1.26 UA1.27 UA1.43 UA1.44 UA1.60 UA1.61 UA1.68 UA2.35 UD0.18 UD0.21 UD0.26 UD1.32 UD2.20 UD3.20 W101.2 W602.1 Y900.14
/CPU & FPU//DSACK0: U100.F1 U111.3 U116.9
/CPU & FPU//DSACK1: U100.G2 U111.4 U116.5
/CPU & FPU/A0: J502.6 JB1.1 RP109.2 U206.130 U605.16 U703.9 U900.14 UA0.14
/CPU & FPU/A1: J502.7 J601.36 JB1.2 RP109.3 U101.25 U204.68 U206.131 U300.11 U301.11 U303.3 U408.2 U605.17 U607.3 U708.4 U800.20 U900.15 UA0.15 UA2.33
/CPU & FPU/A2: J502.8 J601.34 JB1.3 RP109.4 U101.24 U204.67 U206.132 U300.10 U301.9 U303.4 U601.12 U602.12 U603.12 U604.12 U605.18 U607.4 U708.6 U800.21 U900.16 UA0.16 UA2.36
/CPU & FPU/A3: J502.9 J601.32 JB1.4 RP109.5 U101.23 U204.66 U206.133 U303.5 U601.11 U602.11 U603.11 U604.11 U605.19 U607.5 U708.8 U800.22 U900.17 UA0.17 UA2.37
/CPU & FPU/A4: J502.10 J601.30 JB1.5 RP109.6 U101.22 U204.65 U206.134 U303.6 U601.10 U602.10 U603.10 U604.10 U605.20 U607.6 U708.11 U800.23 U900.18 UA0.18
/CPU & FPU/A5: J502.11 J601.27 JB1.6 RP109.7 U204.64 U206.135 U303.7 U601.9 U602.9 U603.9 U604.9 U605.21 U607.7 U708.13 U900.19 UA0.19
/CPU & FPU/A6: J502.12 J601.25 JB1.7 RP109.8 U204.63 U206.136 U601.8 U602.8 U603.8 U604.8 U605.22 U708.15 U900.20 UA0.20
/CPU & FPU/A7: J502.13 J601.23 JB1.8 RP109.9 U204.62 U206.137 U601.7 U602.7 U603.7 U604.7 U605.23 U708.17 U900.21 UA0.21
/CPU & FPU/A8: J502.14 J601.21 JB1.9 RP105.2 U204.61 U206.138 U601.6 U602.6 U603.6 U604.6 U605.24 U709.2 U900.22 UA0.22
/CPU & FPU/A9: J502.15 J601.24 JB1.10 RP105.3 U204.60 U206.139 U601.5 U602.5 U603.5 U604.5 U605.25 U709.4 U900.23 UA0.23
/CPU & FPU/A10: J502.16 J601.26 JB1.11 RP105.4 U206.140 U601.27 U602.27 U603.27 U604.27 U605.26 U709.6 U900.26 UA0.26
/CPU & FPU/A11: J502.17 J601.29 JB1.12 RP105.5 U206.141 U601.26 U602.26 U603.26 U604.26 U605.27 U709.8 U900.27 UA0.27
/CPU & FPU/A12: J502.18 J601.28 JB1.13 RP105.6 U206.142 U601.23 U602.23 U603.23 U604.23 U605.28 U709.11 U900.28 UA0.28
/CPU & FPU/A13: J502.19 J601.19 JB1.14 RP105.7 U206.143 U601.25 U602.25 U603.25 U604.25 U605.29 U709.13 U900.29 UA0.29
/CPU & FPU/A14: J502.20 J601.22 JB1.15 RP105.8 U206.144 U601.4 U602.4 U603.4 U604.4 U605.30 U709.15 U900.30 UA0.30